# KiCad board SNES_AdvancedFlash_1-2.kicad_pcb
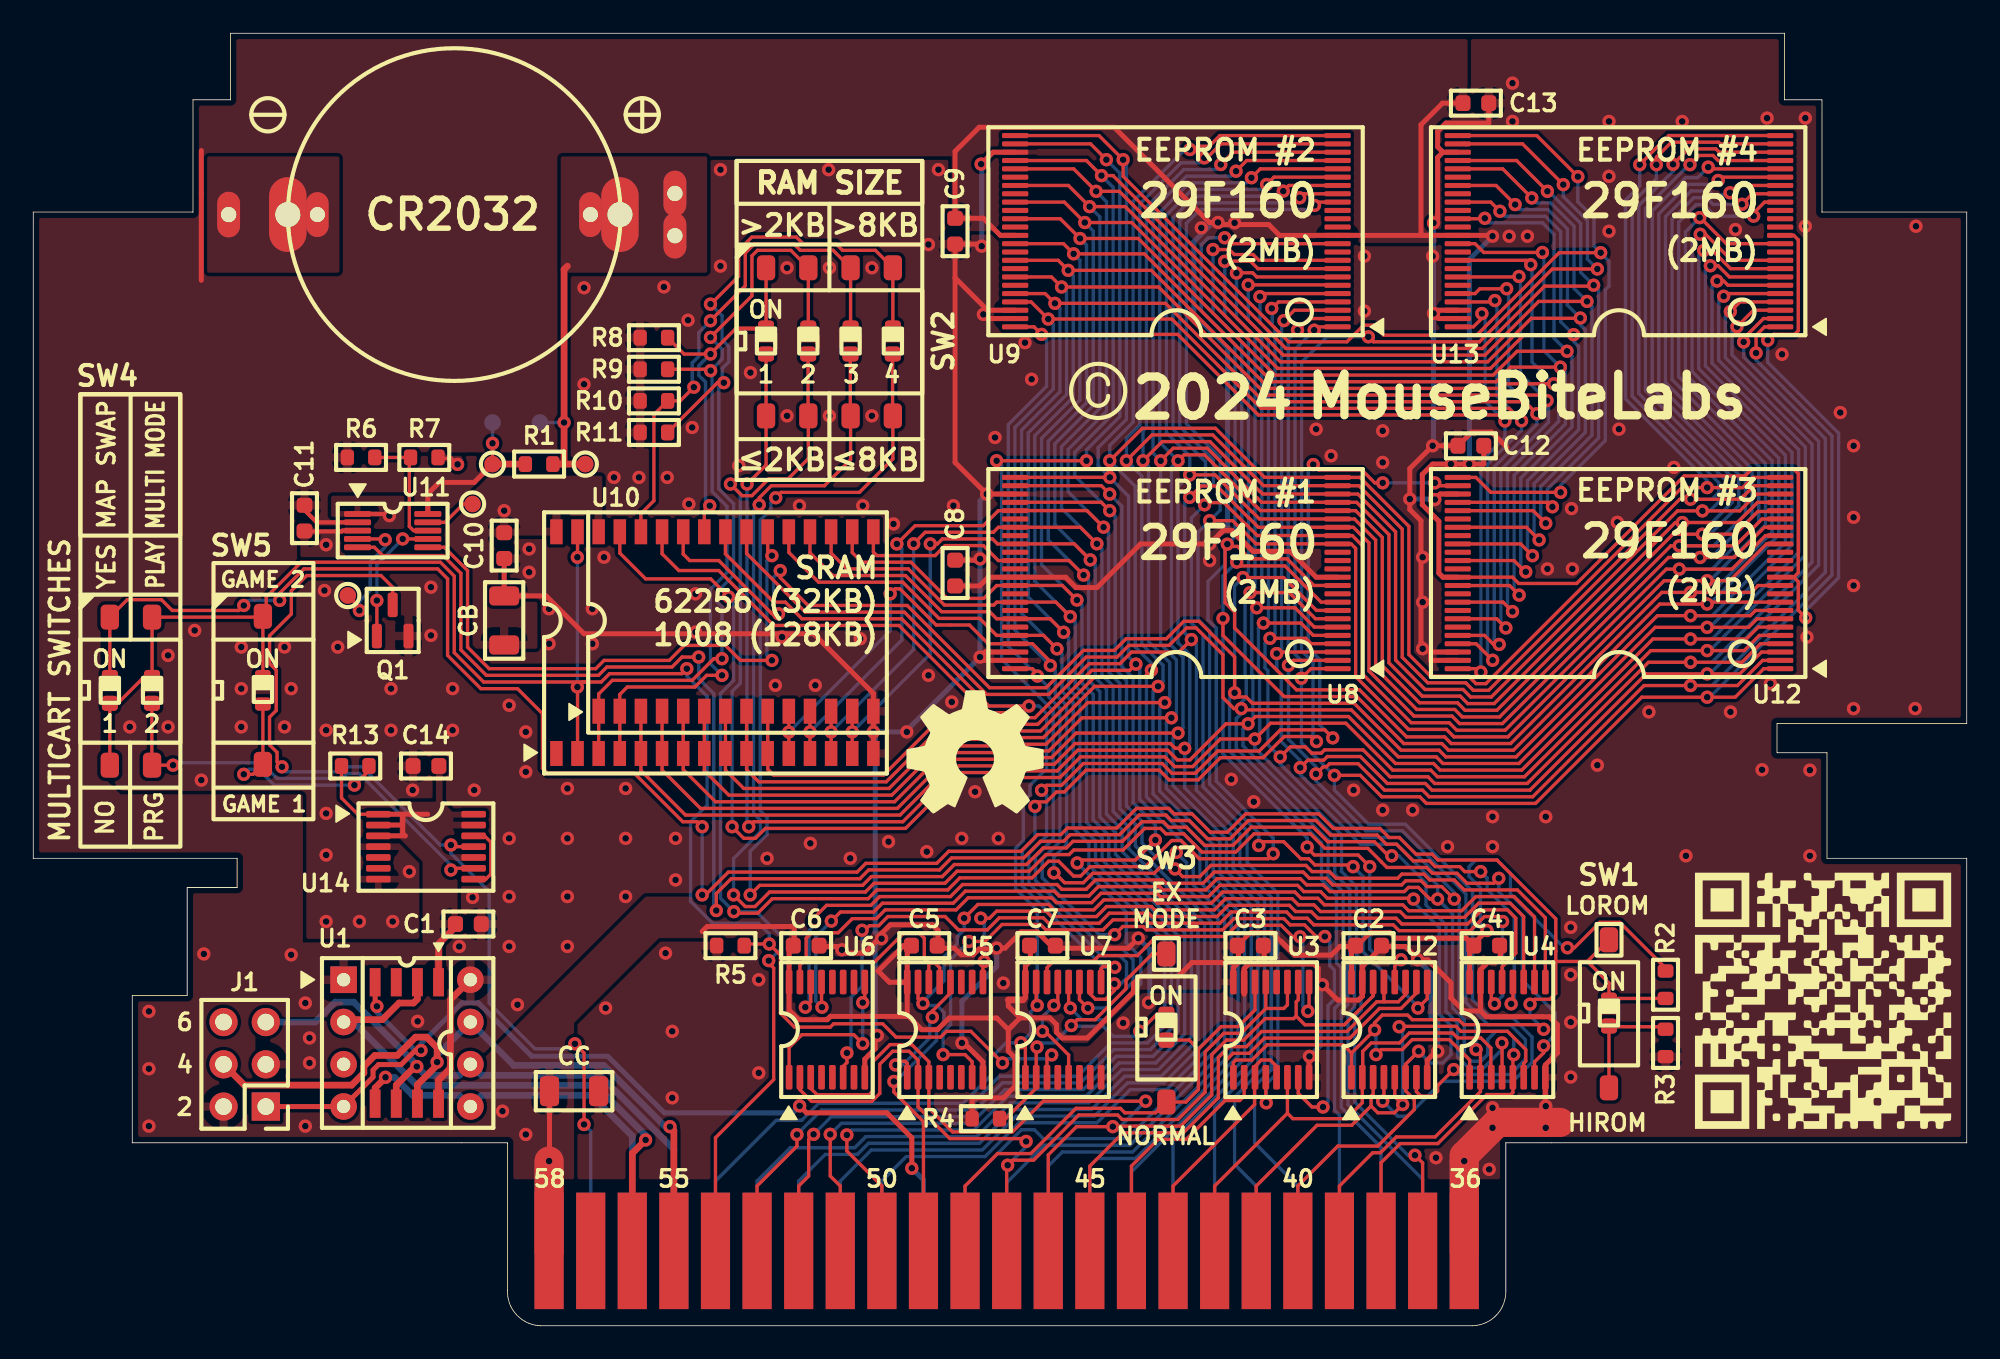
[diagram p0: board, top side]
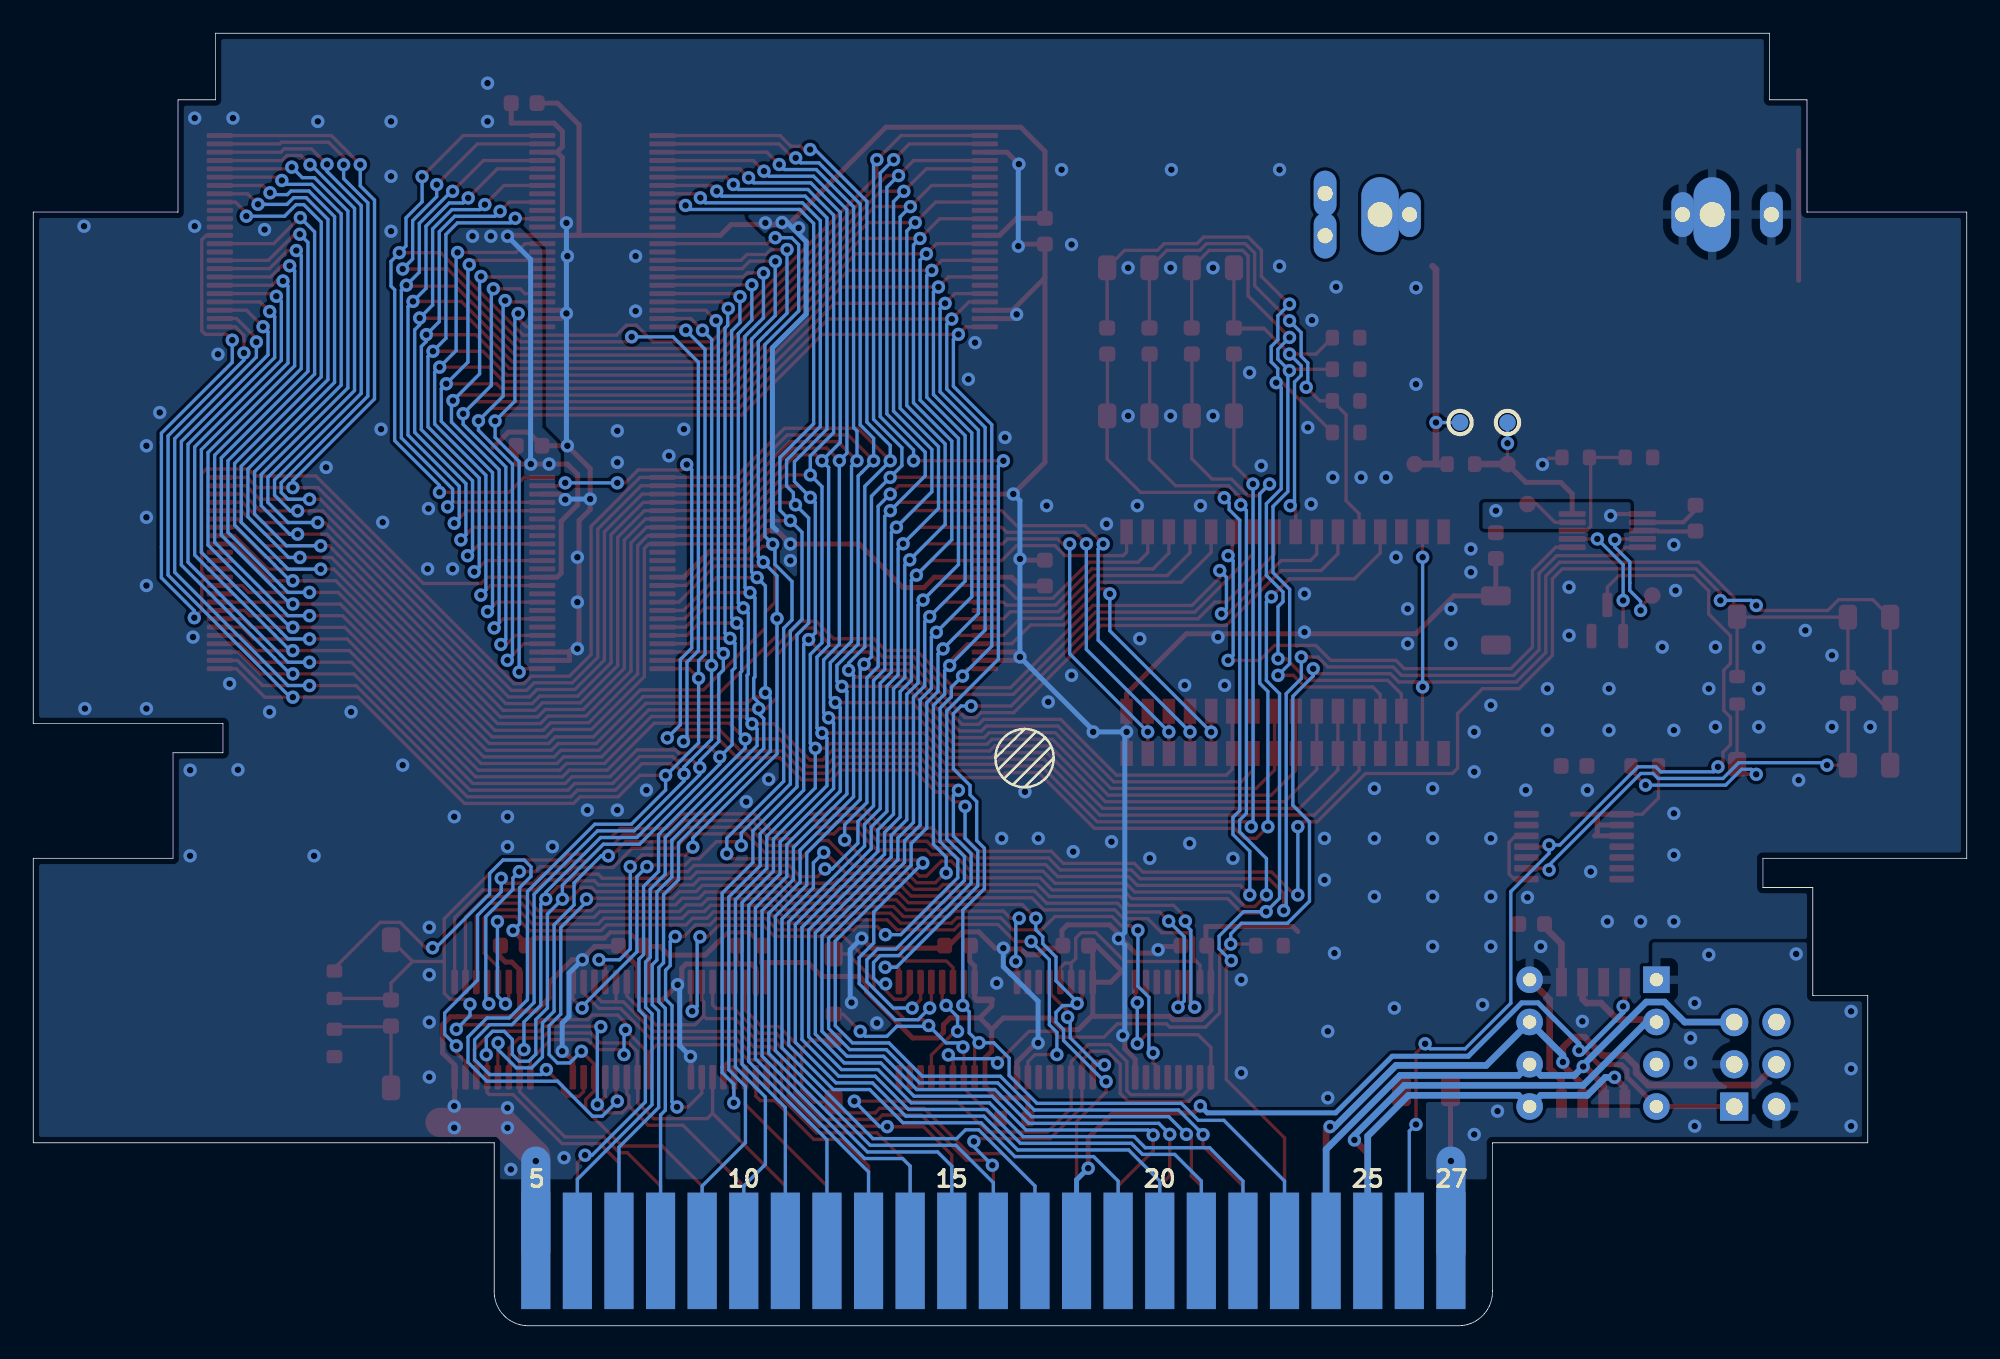
[diagram p1: board, bottom side, seen from below]

Outline 116.2 x 77.7 mm; copper layers: Top, Bottom. Coordinates in mm from the lower left corner of the outline.
Outline path: 25.75,11 5.95,11 5.95,19.85 9.25,19.85 9.25,26.35 12.25,26.35 12.25,28.1 0,28.1 0,66.95 9.6,66.95 9.6,73.7 11.85,73.7 11.85,77.7 105.25,77.7 105.25,73.7 107.5,73.7 107.5,66.95 116.2,66.95 116.2,36.2 104.8,36.2 104.8,34.45 107.8,34.45 107.8,28.1 116.2,28.1 116.2,11 91.25,11
Stack: Top 0.035mm / dielectric 1.51mm FR4 er 4.5 / Bottom 0.035mm

## Placement (name value [footprint] x y rotation side)
B1  Battery_Cell  [CR_battery]  25.1 66.8 0 top
C1  0.1u  [C_0603_1608Metric_Boxed]  26.15 24.15 0 top
C2  0.1u  [C_0603_1608Metric_Boxed]  80.25 22.85 0 top
C3  0.1u  [C_0603_1608Metric_Boxed]  73.15 22.85 0 top
C4  0.1u  [C_0603_1608Metric_Boxed]  87.35 22.85 0 top
C5  0.1u  [C_0603_1608Metric_Boxed]  53.55 22.85 0 top
C6  0.1u  [C_0603_1608Metric_Boxed]  46.45 22.85 0 top
C7  0.1u  [C_0603_1608Metric_Boxed]  60.65 22.85 0 top
C8  0.1u  [C_0603_1608Metric_Boxed]  55.4 45.25 90 top
C9  0.1u  [C_0603_1608Metric_Boxed]  55.4 65.8 270 top
C10  0.1u  [C_0603_1608Metric_Boxed]  28.3 46.9 270 top
C11  0.1u  [C_0603_1608Metric_Boxed]  16.3 48.55 270 top
C12  0.1u  [C_0603_1608Metric_Boxed]  86.4 52.9 180 top
C13  0.1u  [C_0603_1608Metric_Boxed]  86.7 73.5 0 top
C14  0.1u  [C_0603_1608Metric_Boxed]  23.6 33.65 180 top
CB  22u  [C_1206_3216Metric_Boxed]  28.3 42.4 90 top
CC  22u  [C_1206_3216Metric_Boxed]  32.5 14.1 0 top
G***  -  [LOGO]  107.6 19.5 0 top
G***#2  -  [LOGO]  56.6 34.5 0 top
G***#3  -  [LOGO]  25.1 66.8 180 bottom
J1  Conn_02x03_Odd_Even  [PinHeader_2x03_P2.54mm_Vertical]  13.97 13.17 180 top
P1  SNES_Cartridge  [Cart_Edge_SNES_Standard]  58.5 4.5 0 top
Q1  2N7002  [SOT-23]  21.6 42.4 90 top
R1  10k  [R_0603_1608Metric_Boxed]  30.4 51.8 180 top
R2  100k  [R_0603_1608Metric_Boxed]  98.1 20.5 270 top
R3  10k  [R_0603_1608Metric_Boxed]  98.1 17 270 top
R4  100k  [R_0603_1608Metric_Boxed]  57.25 12.45 0 top
R5  10k  [R_0603_1608Metric_Boxed]  41.9 22.85 180 top
R6  130k  [R_0603_1608Metric_Boxed]  19.7 52.2 0 top
R7  49.9k  [R_0603_1608Metric_Boxed]  23.5 52.2 0 top
R8  100k  [R_0603_1608Metric_Boxed]  37.3 59.4 0 top
R9  100k  [R_0603_1608Metric_Boxed]  37.3 57.5 0 top
R10  100k  [R_0603_1608Metric_Boxed]  37.3 55.6 0 top
R11  100k  [R_0603_1608Metric_Boxed]  37.3 53.7 0 top
R13  1k  [R_0603_1608Metric_Boxed]  19.35 33.65 0 top
RS1  0  [R_0603_1608Metric_NoSilk]  94.7 18.8 270 top
RS2A1  0  [R_0603_1608Metric_NoSilk]  44.04 59.2 90 top
RS2B1  0  [R_0603_1608Metric_NoSilk]  46.58 59.2 90 top
RS2C1  0  [R_0603_1608Metric_NoSilk]  49.12 59.2 90 top
RS2D1  0  [R_0603_1608Metric_NoSilk]  51.66 59.2 90 top
RS3  0  [R_0603_1608Metric_NoSilk]  68.1 17.95 90 top
RS4A1  0  [R_0603_1608Metric_NoSilk]  4.6 38.2 90 top
RS4B1  0  [R_0603_1608Metric_NoSilk]  7.14 38.2 90 top
RS5  0  [R_0603_1608Metric_NoSilk]  13.8 38.2 90 top
SW1  SW_SPST  [SPST_SMT]  94.7 14.3 0 top
SW2  SW_DIP_x04  [SPSTx4_SMT]  44.04 54.7 0 top
SW3  SW_SPST  [SPST_SMT]  68.1 13.45 0 top
SW4  SW_DIP_x02  [SPSTx2_SMT]  4.6 33.7 0 top
SW5  SW_SPST  [SPST_SMT#2]  13.8 33.75 0 top
TP1  TestPoint  [TestPoint_Pad_D1.0mm]  33.17 51.8 0 top
TP2  TestPoint  [TestPoint_Pad_D1.0mm]  27.6 51.8 0 top
TP3  TestPoint  [TestPoint_Pad_D1.0mm]  30.45 54.3 90 bottom
TP4  TestPoint  [TestPoint_Pad_D1.0mm]  27.6 54.3 90 bottom
TP5  TestPoint  [TestPoint_Pad_D1.0mm]  18.9 43.9 180 top
TP6  TestPoint  [TestPoint_Pad_D1.0mm]  26.4 49.4 180 top
U1A1  PIC12F629  [SOIC-8W_5.3x5.3mm_P1.27mm]  22.45 17 270 top
U1B1  PIC12F629  [DIP-8_W7.62mm]  18.65 20.8 0 top
U2  SN74CBT3257CPWR  [TSSOP-16_4.4x5mm_P0.65mm]  81.5 17.8 90 top
U3  SN74CBT3257CPWR  [TSSOP-16_4.4x5mm_P0.65mm]  74.4 17.8 90 top
U4  SN74CBT3257CPWR  [TSSOP-16_4.4x5mm_P0.65mm]  88.6 17.8 90 top
U5  74LS139  [TSSOP-16_4.4x5mm_P0.65mm]  54.8 17.8 90 top
U6  74LS139  [TSSOP-16_4.4x5mm_P0.65mm]  47.7 17.8 90 top
U7  74LS139  [TSSOP-16_4.4x5mm_P0.65mm]  61.9 17.8 90 top
U8  29F160  [TSOP-I-48_18.4x12mm_P0.5mm]  68.7 45.25 180 top
U9  29F160  [TSOP-I-48_18.4x12mm_P0.5mm]  68.7 65.8 180 top
U10  AS6C1008  [SO32L_L]  41.6 42.4 0 top
U11  TPS3613  [MSOP-10_3x3mm_P0.5mm]  21.6 47.8 0 top
U12  29F160  [TSOP-I-48_18.4x12mm_P0.5mm]  95.3 45.25 180 top
U13  29F160  [TSOP-I-48_18.4x12mm_P0.5mm]  95.3 65.8 180 top
U14  74HC74  [TSSOP-14_4.4x5mm_P0.65mm]  23.6 28.8 0 top

## Library data of the parts
B1 = -: Description: Single-cell battery
C1-C14 CB CC = -: Description: Unpolarized capacitor; ki_fp_filters: C_*
J1 = -: Description: Generic connector, double row, 02x03, odd/even pin numbering scheme (row 1 odd numbers, row 2 even numbers), script generated (kicad-library-utils/schlib/autogen/connector/); ki_fp_filters: Connector*:*_2x??_*
Q1 = -: Datasheet: https://www.onsemi.com/pub/Collateral/NDS7002A-D.PDF; Description: 0.115A Id, 60V Vds, N-Channel MOSFET, SOT-23; ki_fp_filters: SOT?23*
R1-R11 R13 RS1 RS2A1 RS2B1 RS2C1 RS2D1 RS3 RS4A1 RS4B1 RS5 = -: Description: Resistor; ki_fp_filters: R_*
SW1 SW3 SW5 = -: Description: Single Pole Single Throw (SPST) switch
SW2 = -: Description: 4x DIP Switch, Single Pole Single Throw (SPST) switch, small symbol; ki_fp_filters: SW?DIP?x4*
SW4 = -: Description: 2x DIP Switch, Single Pole Single Throw (SPST) switch, small symbol; ki_fp_filters: SW?DIP?x2*
TP1-TP6 = -: Description: test point; ki_fp_filters: Pin* Test*
U1A1 U1B1 = -: Datasheet: https://ww1.microchip.com/downloads/en/DeviceDoc/41190G.pdf; Description: 1024W Flash, 64B SRAM, 128B EEPROM, PDIP-8; ki_fp_filters: DIP*W7.62mm*
U2-U4 = -: Datasheet: http://www.ti.com/lit/ds/symlink/sn74cbtlv3257.pdf; Description: Quad 1:2 FET Multiplexer/Demultiplexer, Low-Voltage; ki_fp_filters: SSOP*3.9x4.9mm*P0.635mm* TSSOP*4.4x5mm*P0.65mm* TVSOP*4.4x3.6mm*P0.4mm* SOIC*3.9x9.9mm*P1.27mm*
U5-U7 = -: Datasheet: http://www.ti.com/lit/ds/symlink/sn74ls139a.pdf; Description: Dual Decoder 1 of 4, Active low outputs; ki_fp_filters: DIP?16*
U8 U9 U12 U13 = -: Datasheet: https://pdf1.alldatasheet.com/datasheet-pdf/download/22894/STMICROELECTRONICS/M29F160BB.html; Description: 16 Mbit Flash; ki_fp_filters: DIP*W15.24mm* PLCC*
U10 = -: ki_fp_filters: DIP*W15.24mm*
U14 = -: Datasheet: 74xx/74hc_hct74.pdf; Description: Dual D Flip-flop, Set & Reset; ki_fp_filters: DIP*W7.62mm*

## Footprints (pads in the part's own frame, mm; a bottom-side part is the same pattern mirrored in y, then rotated)
C_0603_1608Metric_Boxed
  rrect 0.9x0.95 smd: 1(-0.775,0) 2(0.775,0)
C_1206_3216Metric_Boxed
  rrect 1.15x1.8 smd: 1(-1.475,0) 2(1.475,0)
Cart_Edge_SNES_Standard
  rect 1.75x7 smd far side: 5(27.5,0) 6(25,0) 7(22.5,0) 8(20,0) 9(17.5,0) 10(15,0) 11(12.5,0) 12(10,0) 13(7.5,0) 14(5,0) 15(2.5,0) 16(0,0) 17(-2.5,0) 18(-5,0) 19(-7.5,0) 20(-10,0) 21(-12.5,0) 22(-15,0) 23(-17.5,0) 24(-20,0) 25(-22.5,0) 26(-25,0) 27(-27.5,0)
  rect 1.75x7 smd: 36(27.5,0) 37(25,0) 38(22.5,0) 39(20,0) 40(17.5,0) 41(15,0) 42(12.5,0) 43(10,0) 44(7.5,0) 45(5,0) 46(2.5,0) 47(0,0) 48(-2.5,0) 49(-5,0) 50(-7.5,0) 51(-10,0) 52(-12.5,0) 53(-15,0) 54(-17.5,0) 55(-20,0) 56(-22.5,0) 57(-25,0) 58(-27.5,0)
CR_battery
  oval 1.35x2.7 hole 0.9: 1(8.382,0) 2(-8.024,0)
  oval 2.248x4.496 hole 1.499: 1(10.16,0) 2(-9.802,0)
  oval 1.372x2.743 hole 0.914: 1(13.462,1.27) 1(13.462,-1.27) 2(-13.358,0)
DIP-8_W7.62mm
  rect 1.6x1.6 hole 0.8: 1(0,0)
  oval 1.6x1.6 hole 0.8: 2(0,-2.54) 3(0,-5.08) 4(0,-7.62) 5(7.62,-7.62) 6(7.62,-5.08) 7(7.62,-2.54) 8(7.62,0)
MSOP-10_3x3mm_P0.5mm
  rrect 1.625x0.35 smd: 1(-2.112,1) 2(-2.112,0.5) 3(-2.112,0) 4(-2.112,-0.5) 5(-2.112,-1) 6(2.112,-1) 7(2.112,-0.5) 8(2.112,0) 9(2.112,0.5) 10(2.112,1)
PinHeader_2x03_P2.54mm_Vertical
  rect 1.7x1.7 hole 1: 1(0,0)
  oval 1.7x1.7 hole 1: 2(2.54,0) 3(0,-2.54) 4(2.54,-2.54) 5(0,-5.08) 6(2.54,-5.08)
R_0603_1608Metric_Boxed
  rrect 0.8x0.95 smd: 1(-0.825,0) 2(0.825,0)
R_0603_1608Metric_NoSilk
  rrect 0.8x0.95 smd: 1(-0.825,0) 2(0.825,0)
SO32L_L
  rect 0.75x1.5 smd: 1(-10.16,-7.997) 2(-8.89,-7.997) 3(-7.62,-5.457) 3(-7.62,-7.997) 4(-6.35,-5.457) 4(-6.35,-7.997) 5(-5.08,-5.457) 5(-5.08,-7.997) 6(-3.81,-5.457) 6(-3.81,-7.997) 7(-2.54,-5.457) 7(-2.54,-7.997) 8(-1.27,-5.457) 8(-1.27,-7.997) 9(0,-5.457) 9(0,-7.997) 10(1.27,-5.457) 10(1.27,-7.997) 11(2.54,-5.457) 11(2.54,-7.997) 12(3.81,-5.457) 12(3.81,-7.997) 13(5.08,-5.457) 13(5.08,-7.997) 14(6.35,-5.457) 14(6.35,-7.997) 15(7.62,-5.457) 15(7.62,-7.997) 16(8.89,-5.457) 16(8.89,-7.997) 17(8.89,5.33) 18(7.62,5.33) 19(6.35,5.33) 20(5.08,5.33) 21(3.81,5.33) 22(2.54,5.33) 23(1.27,5.33) 24(0,5.33) 25(-1.27,5.33) 26(-2.54,5.33) 27(-3.81,5.33) 28(-5.08,5.33) 29(-6.35,5.33) 30(-7.62,5.33) 31(-8.89,5.33) 32(-10.16,5.33)
SOIC-8W_5.3x5.3mm_P1.27mm
  rect 1.7x0.65 smd: 1(-3.65,1.905) 2(-3.65,0.635) 3(-3.65,-0.635) 4(-3.65,-1.905) 5(3.65,-1.905) 6(3.65,-0.635) 7(3.65,0.635) 8(3.65,1.905)
SOT-23
  rrect 1.475x0.6 smd: 1(-0.938,0.95) 2(-0.938,-0.95) 3(0.938,0)
SPST_SMT
  rrect 0.95x0.9 smd: 1(0,3.725) 2(0,5.275)
  rrect 1.1x1.5 smd: 1(0,0) 2(0,8.9)
SPST_SMT#2
  rrect 1.1x1.5 smd: 1(0,0) 2(0,8.9)
SPSTx2_SMT
  rrect 0.95x0.9 smd: 1(0,3.725) 2(2.525,3.725) 3(2.54,5.275) 4(0,5.275)
  rrect 1.1x1.5 smd: 1(0,0) 2(2.54,0) 3(2.54,8.9) 4(0,8.9)
SPSTx4_SMT
  rrect 0.95x0.9 smd: 1(0,3.725) 2(2.525,3.725) 3(5.065,3.725) 4(7.605,3.725) 5(7.62,5.275) 6(5.08,5.275) 7(2.54,5.275) 8(0,5.275)
  rrect 1.1x1.5 smd: 1(0,0) 2(2.54,0) 3(5.08,0) 4(7.62,0) 5(7.62,8.9) 6(5.08,8.9) 7(2.54,8.9) 8(0,8.9)
TestPoint_Pad_D1.0mm
  round 1 smd: 1(0,0)
TSOP-I-48_18.4x12mm_P0.5mm
  rrect 1.575x0.3 smd: 1(-9.688,5.75) 2(-9.688,5.25) 3(-9.688,4.75) 4(-9.688,4.25) 5(-9.688,3.75) 6(-9.688,3.25) 7(-9.688,2.75) 8(-9.688,2.25) 9(-9.688,1.75) 10(-9.688,1.25) 11(-9.688,0.75) 12(-9.688,0.25) 13(-9.688,-0.25) 14(-9.688,-0.75) 15(-9.688,-1.25) 16(-9.688,-1.75) 17(-9.688,-2.25) 18(-9.688,-2.75) 19(-9.688,-3.25) 20(-9.688,-3.75) 21(-9.688,-4.25) 22(-9.688,-4.75) 23(-9.688,-5.25) 24(-9.688,-5.75) 25(9.688,-5.75) 26(9.688,-5.25) 27(9.688,-4.75) 28(9.688,-4.25) 29(9.688,-3.75) 30(9.688,-3.25) 31(9.688,-2.75) 32(9.688,-2.25) 33(9.688,-1.75) 34(9.688,-1.25) 35(9.688,-0.75) 36(9.688,-0.25) 37(9.688,0.25) 38(9.688,0.75) 39(9.688,1.25) 40(9.688,1.75) 41(9.688,2.25) 42(9.688,2.75) 43(9.688,3.25) 44(9.688,3.75) 45(9.688,4.25) 46(9.688,4.75) 47(9.688,5.25) 48(9.688,5.75)
TSSOP-14_4.4x5mm_P0.65mm
  rrect 1.475x0.4 smd: 1(-2.862,1.95) 2(-2.862,1.3) 3(-2.862,0.65) 4(-2.862,0) 5(-2.862,-0.65) 6(-2.862,-1.3) 7(-2.862,-1.95) 8(2.862,-1.95) 9(2.862,-1.3) 10(2.862,-0.65) 11(2.862,0) 12(2.862,0.65) 13(2.862,1.3) 14(2.862,1.95)
TSSOP-16_4.4x5mm_P0.65mm
  rrect 1.475x0.4 smd: 1(-2.862,2.275) 2(-2.862,1.625) 3(-2.862,0.975) 4(-2.862,0.325) 5(-2.862,-0.325) 6(-2.862,-0.975) 7(-2.862,-1.625) 8(-2.862,-2.275) 9(2.862,-2.275) 10(2.862,-1.625) 11(2.862,-0.975) 12(2.862,-0.325) 13(2.862,0.325) 14(2.862,0.975) 15(2.862,1.625) 16(2.862,2.275)

## Nets
+5V: C1.1 C2.1 C3.1 C4.1 C5.1 C6.1 C7.1 C8.1 C9.1 C11.1 C12.1 C13.1 C14.1 CC.1 J1.2 P1.27 P1.58 R2.1 R4.1 R6.1 R13.1 U1A1.1 U1B1.1 U2.16 U3.16 U4.16 U5.16 U6.16 U7.16 U8.12 U8.37 U9.12 U9.37 U11.2 U12.12 U12.37 U13.12 U13.37 U14.1 U14.2 U14.3 U14.10 U14.13 U14.14
GND: B1.2 C1.2 C2.2 C3.2 C4.2 C5.2 C6.2 C7.2 C8.2 C9.2 C10.2 C11.2 C12.2 C13.2 C14.2 CB.2 CC.2 J1.3 P1.5 P1.36 Q1.2 R3.2 R5.2 R7.2 R8.1 R9.1 R10.1 R11.1 U1A1.8 U1B1.8 U2.8 U2.15 U3.8 U3.15 U4.8 U4.15 U5.8 U6.8 U7.8 U8.27 U8.46 U8.47 U9.27 U9.46 U9.47 U10.16 U11.3 U12.27 U12.46 U12.47 U13.27 U13.46 U13.47 U14.4 U14.7
+BATT: R1.2 TP2.1 TP4.1 U11.10
+VSW: C10.1 CB.1 U10.30 U10.32 U11.1
/A_{0}: P1.17 U8.45 U9.45 U10.12 U12.45 U13.45
/A_{1}: P1.16 U8.25 U9.25 U10.11 U12.25 U13.25
/A_{2}: P1.15 U8.24 U9.24 U10.10 U12.24 U13.24
/A_{3}: P1.14 U8.23 U9.23 U10.9 U12.23 U13.23
/A_{4}: P1.13 U8.22 U9.22 U10.8 U12.22 U13.22
/A_{5}: P1.12 U8.21 U9.21 U10.7 U12.21 U13.21
/A_{6}: P1.11 U8.20 U9.20 U10.6 U12.20 U13.20
/A_{7}: P1.10 U8.19 U9.19 U10.5 U12.19 U13.19
/A_{8}: P1.9 U8.18 U9.18 U10.27 U12.18 U13.18
/A_{9}: P1.8 U8.8 U9.8 U10.26 U12.8 U13.8
/A_{10}: P1.7 U8.7 U9.7 U10.23 U12.7 U13.7
/A_{11}: P1.6 RS2A1.1 SW2.1 U8.6 U9.6 U12.6 U13.6
/A_{12}: P1.37 RS2B1.1 SW2.2 U8.5 U9.5 U12.5 U13.5
/A_{13}: P1.38 U4.5 U6.13 U8.4 U9.4 U12.4 U13.4
/A_{14}: P1.39 U4.2 U6.14 U8.3 U9.3 U12.3 U13.3
/A_{15}: U2.7 U8.2 U9.2 U12.2 U13.2
/A_{16}: U2.4 U8.1 U9.1 U12.1 U13.1
/A_{17}: U3.7 U8.48 U9.48 U12.48 U13.48
/A_{18}: U3.4 U8.17 U9.17 U12.17 U13.17
/A_{19}: U2.9 U8.16 U9.16 U12.16 U13.16
/A_{20}: U2.12 U8.9 U9.9 U12.9 U13.9
/A_{21}: U3.9 U7.14
/A_{22}: U3.12
/AA_{15}: P1.40 U2.6 U5.13 U5.14 U6.15
/BA_{0}: P1.41 U2.3 U2.5 U4.6
/BA_{1}: P1.42 U2.2 U3.6 U4.3
/BA_{2}: P1.43 U3.3 U3.5
/BA_{3}: P1.44 U2.10 U3.2
/BA_{4}: P1.45 U2.11 U2.13
/BA_{5}: P1.46 U2.14 U3.10 U5.3 U6.3
/BA_{6}: P1.47 U3.11 U3.13 U5.2 U6.2
/BA_{7}: P1.48 RS3.1 SW3.1 U3.14
/CIC.CLK: P1.56 U1A1.2 U1B1.2
/CIC.D_{0}: J1.4 P1.55 U1A1.7 U1B1.7
/CIC.D_{1}: J1.5 P1.24 U1A1.6 U1B1.6
/CIC.RST: P1.25 U1A1.5 U1B1.5
/D_{0}: P1.19 U8.29 U9.29 U10.13 U12.29 U13.29
/D_{1}: P1.20 U8.31 U9.31 U10.14 U12.31 U13.31
/D_{2}: P1.21 U8.33 U9.33 U10.15 U12.33 U13.33
/D_{3}: P1.22 U8.35 U9.35 U10.17 U12.35 U13.35
/D_{4}: P1.50 U8.38 U9.38 U10.18 U12.38 U13.38
/D_{5}: P1.51 U8.40 U9.40 U10.19 U12.40 U13.40
/D_{6}: P1.52 U8.42 U9.42 U10.20 U12.42 U13.42
/D_{7}: P1.53 U8.44 U9.44 U10.21 U12.44 U13.44
/FF_{OUT}: RS4B1.1 SW4.2 U14.9
/MULTI: R5.1 RS4A1.1 RS4B1.2 RS5.2 SW4.1 SW4.3 SW5.2 U7.3 U10.2 U10.31
/MULTI_{PU}: R13.2 RS5.1 SW5.1
/RAM.A_{13}: RS2C1.1 SW2.3 U4.7
/RAM.A_{14}: RS2D1.1 SW2.4 U4.4
/RAM.~{CE}: U4.12 U11.5
/RAM.~{CE}_{HI}: U4.13 U6.6
/RAM.~{CE}_{LO}: U4.14 U5.7
/RAM/A_{11SW}: R8.2 RS2A1.2 SW2.8 U10.25
/RAM/A_{12SW}: R9.2 RS2B1.2 SW2.7 U10.4
/RAM/A_{13SW}: R10.2 RS2C1.2 SW2.6 U10.28
/RAM/A_{14SW}: R11.2 RS2D1.2 SW2.5 U10.3
/RAM/RAM.~{CE}_{G}: U10.22 U11.6
/ROM.BA_{7}: R4.2 RS3.2 SW3.2 U7.2
/ROM.~{OE}: U4.9 U8.28 U9.28 U12.28 U13.28
/ROM/~{CE1}: U7.12 U8.26
/ROM/~{CE2}: U7.11 U9.26
/ROM/~{CE3}: U7.10 U12.26
/ROM/~{CE4}: U7.9 U13.26
/SW_{HL}: R2.2 RS1.1 RS4A1.2 SW1.2 SW4.4 U2.1 U3.1 U4.1
/SW_{PD}: R3.1 RS1.2 SW1.1
/~{IRQ}: J1.1 P1.18 U1A1.4 U1B1.4
/~{RD}: P1.23 U7.1 U7.15 U10.24
/~{RESET}: P1.26 Q1.3 U14.11
/~{ROMSEL}: P1.49 U4.10 U5.15
/~{ROMSEL}_{LO}: U4.11 U5.9
/~{WR}: P1.54 U8.11 U9.11 U10.29 U12.11 U13.11
Net-(B1-+): B1.1 R1.1 TP1.1 TP3.1
Net-(Q1-G): Q1.1 U11.7
Net-(U5A-E): U5.1 U5.12
Net-(U6A-E): U6.1 U6.9
Net-(U7A-O1): U7.5 U7.13
Net-(U11-SENSE): R6.2 R7.1 U11.8
Net-(U11-~{MR}): TP5.1 U11.4
Net-(U11-~{RESET}): TP6.1 U11.9
Net-(U14B-D): U14.8 U14.12

Pads without a net: J1 6; P1 57; U1A1 3; U1B1 3; U5 4 5 6 10 11; U6 4 5 7 10 11 12; U7 4 6 7; U8 10 13 14 15 30 32 34 36 39 41 43; U9 10 13 14 15 30 32 34 36 39 41 43; U10 1; U12 10 13 14 15 30 32 34 36 39 41 43; U13 10 13 14 15 30 32 34 36 39 41 43; U14 5 6

## Via types
v1: diameter 0.8, hole 0.4, Top to Bottom, 537 vias

## Routing (per net, layer and track width the routed paths; a pad name or vN(x,y) marks a point on that pad's centre or on a via; arc(x,y) is an arc through that point)
+5V: length 344.7
  Top w0.2: U12.37 88.9,45 89.28,44.62 92.76,44.62 99.22,51.09 102.87,51.09 103.28,51.5 105.81,51.5 106.07,51.23 106.07,45.27 105.81,45 ; v1(106.52,42.56) 106.07,43.01 106.07,44.73 105.81,45 ; R13.1 18.52,31.72 19.5,30.75 U14.1 ; 52.53,19.91 52.53,20.65 ; v1(104.24,59.25) 104.59,59.6 105.86,59.6 106.07,59.82 106.07,65.28 105.81,65.55 U13.12 ; v1(92.2,22.72) 92.62,22.72 94.15,24.25 95.35,24.25 98,21.6 98,21.33 ; 105.81,45 U12.12
  Top w0.25: C11.1 16.3,49.04 17.04,48.3 U11.2 ; 72.42,22.8 72.42,22.9 73.17,23.65 74.45,23.65 75,23.1 ; U8.12 78.39,45 ; 81.87,23.3 81.52,23.65 80.38,23.65 79.53,22.8
  Top w0.3: 86.07,51.8 84.1,51.8 83.48,51.18 83.48,49.36 84.47,48.36 84.47,45.25 84.72,45 U12.37 ; 86.07,51.8 87.17,51.8 C12.1 ; 86.07,51.8 v1(86.3,51.8) ; 52.53,18.67 52.53,20.65 51.45,20.65 50.78,21.33 52.3,22.85 52.78,22.85 52.53,22.6 U5.16 ; 52.53,18.67 52.45,18.6 47.91,18.6 47.71,18.4 46,18.4 45.42,18.97 45.42,22.4 45.72,22.7 45.72,24 40.5,24 40.2,23.7 ; 52.53,18.67 53.4,17.8 54.34,17.8 55.05,18.5 57.9,18.5 58.6,17.8 ; 58.6,17.8 58.6,16.51 59,16.11 59,14.4 58.3,13.7 56.55,13.7 56.42,13.58 56.42,12.45 ; 58.6,17.8 58.9,18.1 ; 58.6,17.8 59.31,18.51 ; 23.7,30.75 22.25,30.75 ; 22.25,30.75 U14.1 ; 22.25,30.75 22.2,30.7 ; 79.53,22.8 79.22,22.5 U2.16 ; 79.53,22.8 78.53,22.8 78.01,22.28 75.82,22.28 75,23.1 75.5,22.6 ; 79.53,22.8 79.53,22.7 ; U9.37 58.12,65.55 57.1,66.57 C9.1 55.4,70.6 56.85,72.05 64.96,72.05 70.69,66.33 v1(71.2,66.33) 71.33,66.2 74.25,66.2 74.9,65.55 U9.12 83.9,65.55 ; 22.2,30.7 22.2,29.6 22.35,29.45 U14.3 ; 22.2,30.7 22.2,30.1 U14.2 ; 85.1,23.3 86.12,23.3 86.62,22.8 ; 85.1,23.3 81.87,23.3 ; 85.1,23.3 85.08,23.3 ; 83.9,65.55 83.4,65.55 83.4,72.2 84.7,73.5 C13.1 ; 83.9,65.55 U13.37 87.65,65.55 v1(87.7,65.5) ; 71.53,47.81 71.51,47.81 v1(70.7,47) ; 71.53,47.81 72.03,47.81 72.54,47.3 72.56,47.3 73.31,46.55 75.55,46.55 77.1,45 U8.12 ; 71.53,47.81 70.71,47 66.55,47 63.92,44.38 62.67,44.38 62.04,45 U8.37 57.4,45 56.88,44.47 C8.1 ; 72.42,22.8 72.42,21.83 ; 72.42,21.83 69.63,21.83 68.8,21 66.55,21 66.12,20.57 66.12,20.07 63.35,17.3 61.84,17.3 61.5,17.64 61.5,18.1 61.09,18.51 59.31,18.51 ; 72.42,21.83 72.12,21.53 U3.16 ; U4.16 86.32,22.5 86.62,22.8 ; 10.1,62.85 10.1,70.65 ; 86.62,22.8 86.62,23.02 v1(87.37,23.76) ; 59.31,18.51 58.6,19.22 58.6,19.59 ; 59.92,22.7 59.92,21.92 59.62,21.62 59.62,19.72 59.49,19.59 ; 31.02,14.1 31.02,9.92 v1(31,9.9)
  Top w0.4: 59.49,19.59 58.6,19.59 ; 25.38,24.15 25.38,23.97 24.35,22.95 U1A1.1
  Top w1.75: v1(31,9.9) P1.27
  Bottom w0.2: v1(106.52,42.56) 106.52,42.99 108.5,44.97 108.5,53.66 104.24,57.92 v1(104.24,59.25) ; v1(87.37,23.76) 86.98,24.15 86.98,26.32 86.29,27.01 86.29,27.59 86.7,28 87.97,28 88.78,27.19 88.78,25.96 92.01,22.72 v1(92.2,22.72)
  Bottom w0.3: v1(71.2,66.33) 70.9,66.33 69.75,65.18 69.75,60.82 71.78,58.79 71.78,48.06 71.53,47.81 ; v1(86.3,51.8) 86.31,51.81 86.31,64.11 v1(87.7,65.5)
  Bottom w1.75: v1(31,9.9) 31,4.45
  vias: v1(6.95,18.9) v1(6.95,15.45) v1(6.95,12) v1(10.25,22.35) v1(15.5,22.3) v1(16.35,19.4) v1(16.35,12) v1(28.2,12.9) v1(29.6,11.5) v1(70.2,66) v1(70.7,46) v1(72.2,66.3) v1(85.2,51.8) v1(88.7,65.5) v1(89.8,65.5)
GND: length 282.5
  Top w0.2: v1(25.5,51.78) 25.13,52.15 24.38,52.15 24.32,52.2
  Top w0.25: C11.2 16.32,47.75 18.54,47.75 18.59,47.8 U11.3
  Top w0.3: U8.47 57.1,40 v1(56.9,40.2) 57.2,40.5 U8.46 ; 73.97,22.8 73.97,21.92 73.8,21.75 ; U9.27 57.68,70.55 v1(56.97,69.83) ; 84.72,70.55 84.4,70.23 84.4,66.54 v1(84.16,66.3) ; 84.72,70.55 84.4,70.87 84.4,71.8 84.9,72.3 87.47,72.3 C13.2 ; 84.72,70.55 U13.27 ; v1(56.9,46.1) 56.82,46.02 55.4,46.02 ; 88.17,22.8 88.17,22.21 87.82,21.86 87.44,21.86 86.97,21.4 U4.15 86.97,18.92 ; v1(66.41,23.3) 65.81,22.7 61.32,22.7 60.34,23.67 59.38,23.67 58.4,22.7 v1(57.9,22.7) 57.85,22.65 56.84,22.65 56.49,22.3 55.77,22.3 55.37,22.7 54.38,22.7 54.38,23.77 54.05,24.1 51.5,24.1 51,23.6 51,23.29 v1(50.98,23.27) 50.81,23.27 49.94,22.4 48.8,22.4 v1(48.6,22.6) 48.4,22.8 47.38,22.8 47.28,22.7 ; U12.27 84.56,50 v1(84.23,49.67) ; 90.8,12.22 90.88,12.3 U4.8 90.88,15.67 91.6,16.4 91.6,18.1 91.12,18.58 90.7,18.58 90.69,18.58 87.32,18.58 86.97,18.92 ; U12.47 83.97,40 83.97,40.52 ; U2.8 83.78,15.96 84.32,16.5 v1(84.41,16.5) ; v1(57,64.9) 56.88,65.03 C9.2 55.4,63 ; U3.8 76.67,16.17 v1(76.7,16.19) ; 57.35,61.05 57.35,60.55 U9.47 ; 57.35,61.05 55.4,63 ; 57.35,61.05 v1(57.1,60.8) ; 57.35,61.05 U9.46 ; 49.97,14.92 49.97,16.02 50.6,16.65 50.6,17.33 v1(50.72,17.45) ; 55.4,63 55.4,51.9 v1(57.3,50) U8.27 ; 86.97,18.92 85.97,18.92 85.2,19.7 85.2,20.61 83.81,22 v1(83.2,22) 82.95,22.25 82.95,22.31 82.46,22.8 81.07,22.8 79.88,21.6 U2.15 79.88,19.83 79.88,19.82 79.64,19.58 78.4,19.58 v1(77.47,20.5) 77.22,20.75 77.22,21.49 76.96,21.75 73.8,21.75 ; 83.97,40.52 84,40.5 U12.46 ; 83.97,40.52 83.4,41.1 83.4,48.4 82.73,49.07 v1(82.73,49.7) 82.73,51.53 v1(84.1,52.9) C12.2 86.45,53.72 87.64,53.72 88.57,52.8 ; 73.8,21.75 73.05,21.75 72.78,21.47 U3.15 72.78,19.93 ; U13.47 84.46,60.55 v1(84.16,60.86) 84.35,61.05 U13.46 ; v1(55.81,17) 55.94,17 57.07,15.86 57.07,14.92 ; C10.2 28.3,43.88 30.82,43.88 33.1,41.6 46.9,41.6 50.49,38.01 U10.16 U10.16 ; 91.98,12 91.76,12.22
  Top w0.4: U1B1.8 25.07,19.6 25.07,15.47 24.35,14.75 U1A1.8
  Top w1.75: 91.76,12.22 87.99,12.22 86,10.23 v1(86,9.9) P1.5
  Bottom w0.3: v1(77.47,20.5) 77.35,20.38 77.35,16.84 v1(76.7,16.19) ; v1(84.16,60.86) 84.16,53.06 84.1,53 v1(84.1,52.9) ; v1(84.16,60.86) v1(84.16,66.3) ; v1(84.16,60.86) 84.1,60.8 ; v1(66.41,23.3) 67.1,22.61 67.1,19.5 v1(67.03,19.42) ; v1(84.41,16.5) 84.41,18.19 84,18.6 84,21.2 v1(83.2,22) ; v1(55.81,17) 55.81,19.51 57.45,21.15 57.46,21.15 57.9,21.59 v1(57.9,22.7) ; v1(50.72,17.45) 50.6,17.57 50.6,22.89 v1(50.98,23.27) 50.6,23.65 50.6,35.59 v1(50.49,35.7) 52.4,35.7 v1(56.9,40.2) v1(56.9,46.1) 56.9,49.6 v1(57.3,50) ; v1(57,64.9) 57,69.8 v1(56.97,69.83) ; v1(82.73,49.7) 84.2,49.7 v1(84.23,49.67)